# Altium PCB openmv-ae3.PcbDoc (part 5 of 7)
Units mil, origin at the board's own origin, x right, y up, seen from the top; angles counter-clockwise.
Board outline 1001 x 1001 mil, 8 copper layers (TOP, ART2, GND3, ART4, VCC5, GND6, ART7, BOTTOM), stack 65.6 mil thick; 246 components, 168 nets, 1013 pads, 1766 vias.
Unrouted connection lines stored in the file: 233.
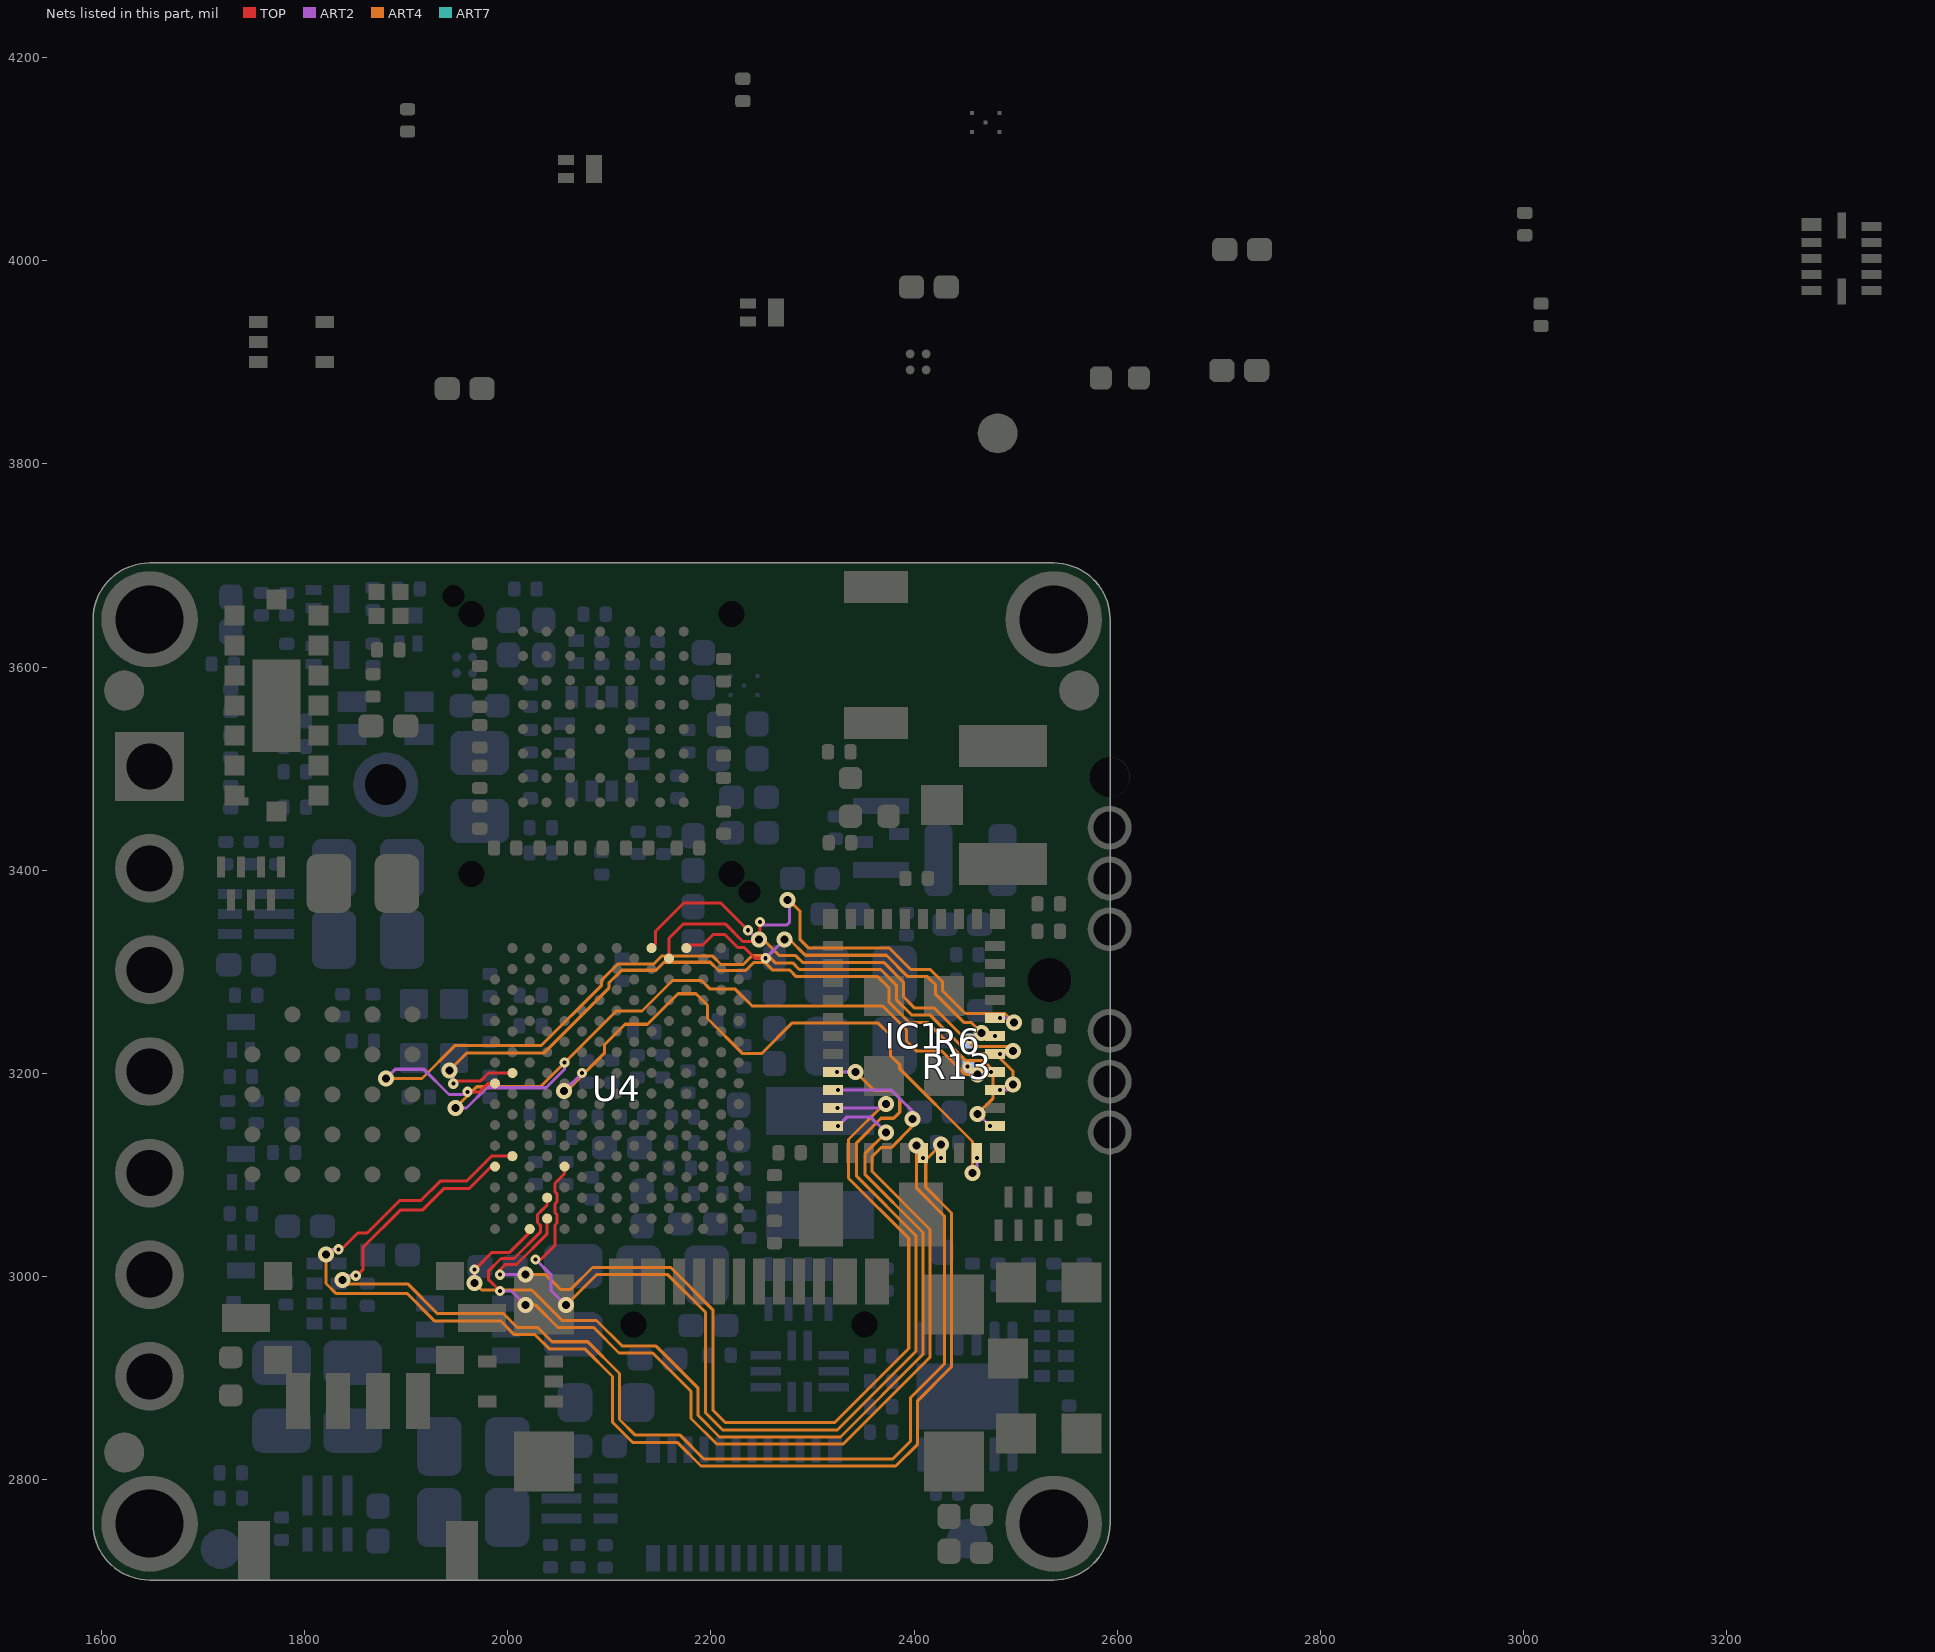
[diagram p11: the nets of this part, all layers, seen from the top]

## Via types
v1: diameter 10, hole 4, TOP to ART2, tented both sides, 779 vias
v2: diameter 10, hole 4, ART7 to BOTTOM, tented both sides, 590 vias
v3: diameter 15.75, hole 7.87, ART2 to ART7, 342 vias
v4: diameter 10, hole 4, ART7 to BOTTOM, tented bottom, 41 vias
v5: diameter 15.75, hole 7.87, TOP to BOTTOM, tented both sides, 13 vias
v6: diameter 10, hole 4, TOP to BOTTOM, tented both sides, 1 vias

## Nets (pads, with @x,y where several pads share a name; then routed paths per layer and width w, separated by ;. In a path a pad name is that pad's centre, name@x,y a point inside that pad or via, vN(x,y) a via of type N, cw(c..) or ccw(c..) an arc to the next point about the centre after c; other vN are vias at no path point) (continued)
WIFI_GPIO_1: IC1.18 U4.B8 | length 1282.8
  TOP w3: v1(1833.44,3026.91) 1836.44,3026.91 1852.44,3042.91 1861.69,3042.91 1893.69,3074.91 1914.44,3074.91 1933.44,3093.91 1959.44,3093.91 1984.09,3118.56 U4.B8@2004.57,3118.56
  ART2 w3: v3(1821.06,3021.91) 1826.06,3026.91 v1(1833.44,3026.91) ; v1(2426.51,3116.75) v3(2426.51,3129.91)
  ART4 w3: v3(1821.06,3021.91) 1821.06,2993.29 1830.82,2983.53 1900.82,2983.53 1927.81,2956.54 1992.91,2956.54 2006.54,2942.91 2026.74,2942.91 2040.74,2928.91 2075.84,2928.91 2103.06,2901.69 2103.06,2856.56 2122.71,2836.91 2166.76,2836.91 2190.14,2813.53 2381.8,2813.53 2403.42,2835.15 2403.42,2877.89 2436.69,2911.16 2436.69,3062.66 2411.44,3087.91 2411.44,3114.84 v3(2426.51,3129.91)
WIFI_GPIO_2: IC1.17 U4.A7 | length 1205.4
  TOP w3: v1(1850.44,3000.91) 1851.44,3001.91 1852.44,3001.91 1857.44,3006.91 1857.44,3028.76 1894.09,3065.41 1915.94,3065.41 1937.44,3086.91 1962.44,3086.91 1983.86,3108.33 U4.A7@1987.44,3108.33
  ART2 w3: v3(1837.44,2996.91) 1841.44,3000.91 v1(1850.44,3000.91) ; v3(2402.44,3128.91) 2402.44,3123.11 v1(2408.8,3116.75)
  ART4 w3: v3(1837.44,2996.91) 1841.44,2992.91 1901.44,2992.91 1930.81,2963.54 1995.81,2963.54 2009.44,2949.91 2029.64,2949.91 2043.64,2935.91 2078.74,2935.91 2110.06,2904.59 2110.06,2859.47 2125.62,2843.91 2169.66,2843.91 2193.04,2820.53 2378.9,2820.53 2396.42,2838.05 2396.42,2880.79 2429.69,2914.06 2429.69,3059.66 2402.44,3086.91 v3(2402.44,3128.91)
WIFI_I2S_SCLK: IC1.11 U4.C1 | length 946.9
  TOP w3: v1(1967.44,3006.91) 1984.44,3023.91 2001.94,3023.91 2021.69,3043.66 U4.C1@2021.69,3046.91
  ART2 w3: v3(1967.44,2993.91) v1(1967.44,3006.91) ; v1(2325.22,3148.33) 2333.8,3156.91 2357.44,3156.91 v3(2372.44,3141.91)
  ART4 w3: v3(1967.44,2993.91) 1974.44,2986.91 2023.52,2986.91 2053.52,2956.91 2087.44,2956.91 2112.44,2931.91 2145.54,2931.91 2187.44,2890.01 2187.44,2863.29 2208.5,2842.23 2327.46,2842.23 2408.69,2923.46 2408.69,3043.47 2351.44,3100.72 2351.44,3120.91 v3(2372.44,3141.91)
WIFI_I2S_SDI: IC1.10 U4.D2 | length 985
  TOP w3: v1(1992.44,3001.91) 1992.44,3006.91 1997.44,3011.91 2008.64,3011.91 2038.82,3042.09 U4.D2@2038.82,3057.15 ; IC1.10@2320.22,3166.04 v1(2324.57,3166.04)
  ART2 w3: v1(1992.44,3001.91) v3(2017.44,3001.91) ; v1(2324.57,3166.04) 2368.57,3166.04 v3(2372.44,3169.91)
  ART4 w3: v3(2017.44,3001.91) 2037.44,3001.91 2051.9,2987.45 2061.9,2987.45 2083.36,3008.91 2160.44,3008.91 2201.83,2967.52 2201.83,2868.7 2214.3,2856.23 2321.66,2856.23 2394.69,2929.26 2394.69,3037.66 2335.44,3096.91 2335.44,3134.91 2370.44,3169.91 v3(2372.44,3169.91)
WIFI_I2S_SDO: IC1.9 U4.D4 | length 1037.3
  TOP w3: v1(1992.44,2985.91) 1980.94,2997.41 1980.94,3005.41 1993.44,3017.91 2006.14,3017.91 2032.44,3044.21 2032.44,3050.09 2029.32,3053.21 2029.32,3061.08 2032.44,3064.2 2038.82,3070.59 U4.D4@2038.82,3077.62
  ART2 w3: v1(1992.44,2985.91) 2003.44,2985.91 v3(2017.44,2971.91) ; v1(2325.22,3183.76) 2377.51,3183.76 2398.23,3163.04 v3(2398.23,3154.91)
  ART4 w3: v3(2017.44,2971.91) 2027.44,2971.91 2049.44,2949.91 2084.54,2949.91 2109.54,2924.91 2142.64,2924.91 2180.44,2887.11 2180.44,2860.39 2205.6,2835.23 2330.36,2835.23 2415.69,2920.56 2415.69,3046.37 2358.44,3103.62 2358.44,3117.91 2367.44,3126.91 2377.44,3126.91 2398.23,3147.7 v3(2398.23,3154.91)
WIFI_I2S_WS: IC1.8 U4.E7 | length 1046.9
  TOP w3: v1(2027.44,3016.91) 2032.44,3016.91 2046.44,3030.91 2046.44,3050.85 2048.32,3052.73 2048.32,3061.09 2046.44,3062.97 2046.44,3071.8 2048.32,3073.68 2048.32,3081.56 2046.44,3083.44 2046.44,3091.79 2055.94,3101.29 U4.E7@2055.94,3108.33
  ART2 w3: v1(2027.44,3016.91) 2042.44,3001.91 2042.44,2986.91 v3(2057.44,2971.91) ; v1(2324.22,3201.48) v3(2342.44,3201.48)
  ART4 w3: v3(2057.44,2971.91) 2087.44,3001.91 2157.54,3001.91 2194.83,2964.62 2194.83,2865.8 2211.4,2849.23 2324.56,2849.23 2401.69,2926.36 2401.69,3040.56 2343.44,3098.81 2343.44,3131.91 2367.44,3155.91 2379.82,3155.91 2385.82,3161.91 2385.82,3175.45 2377.98,3183.29 2360.63,3183.29 v3(2342.44,3201.48)
WIFI_IRQ: IC1.26 U4.K28 | length 464.5
  TOP w3: U4.K28@2141.57,3323.32 2145.44,3327.19 2145.44,3339.91 2173.44,3367.91 2209.44,3367.91 v1(2236.44,3340.91)
  ART2 w3: v1(2236.44,3340.91) 2245.44,3331.91 v3(2247.44,3331.91) ; v1(2484.66,3219.19) 2494.72,3219.19 v3(2497.44,3221.91)
  ART4 w3: v3(2247.44,3331.91) 2251.44,3331.91 2267.44,3315.91 2283.43,3315.91 2290.04,3309.3 2369.95,3309.3 2389.44,3289.81 2389.44,3275.57 2400.71,3264.3 2420.05,3264.3 2457.82,3226.53 2492.82,3226.53 v3(2497.44,3221.91)
WIFI_MISO: IC1.24 U4.A15 | length 886.7
  TOP w3: v1(1960.44,3181.91) 1972.44,3181.91 1980.75,3190.22 U4.A15@1987.44,3190.22
  ART2 w3: v3(1880.15,3195.05) 1889.24,3204.14 1917.35,3204.14 1942.2,3179.29 1957.82,3179.29 v1(1960.44,3181.91) ; v1(2484.66,3183.76) 2492.29,3183.76 v3(2497.44,3188.91)
  ART4 w3: v3(1880.15,3195.05) 1915.58,3195.05 1947.83,3227.3 2032.83,3227.3 2092.44,3286.91 2092.44,3291.91 2108.07,3307.54 2143.4,3307.54 2151.27,3315.41 2201.81,3315.41 2209.93,3307.29 2231.81,3307.29 2240.81,3316.29 2255.88,3316.29 2263.26,3308.91 2280.44,3308.91 2287.05,3302.3 2367.05,3302.3 2382.44,3286.91 2382.44,3272.67 2397.81,3257.3 2415.89,3257.3 2453.66,3219.53 2479.82,3219.53 2497.44,3201.91 v3(2497.44,3188.91)
WIFI_MOSI: IC1.22 U4.B16 | length 784.4
  TOP w3: v1(1946.44,3189.91) 1948.94,3192.41 1972.94,3192.41 1980.98,3200.45 U4.B16@2004.57,3200.45
  ART2 w3: v3(1942.44,3202.91) 1946.44,3198.91 v1(1946.44,3189.91) ; v3(2462.44,3160.22) 2462.77,3160.22 v1(2474.66,3148.33)
  ART4 w3: v3(1942.44,3202.91) 1959.83,3220.3 2035.83,3220.3 2099.51,3283.98 2099.51,3288.98 2112.07,3301.54 2145.89,3301.54 2153.76,3309.41 2199.32,3309.41 2207.44,3301.29 2234.3,3301.29 2242.3,3309.29 2252.98,3309.29 2260.36,3301.91 2277.36,3301.91 2283.97,3295.3 2364.15,3295.3 2375.44,3284.01 2375.44,3269.77 2394.91,3250.3 2412.99,3250.3 2420.83,3242.46 2450.74,3212.53 2467.98,3212.53 2477.44,3203.07 2477.44,3175.22 v3(2462.44,3160.22)
WIFI_SCLK: IC1.20 U4.F16 | length 626
  ART2 w3: v3(2055.5,3182.84) 2055.59,3182.84 2073.07,3200.32 v1(2073.07,3200.45) ; v3(2457.44,3101.91) 2461.95,3106.42 v1(2461.95,3116.75)
  ART4 w3: v3(2055.5,3182.84) 2058.17,3182.84 2095.06,3219.73 2095.06,3228.04 2115.43,3248.41 2137.63,3248.41 2167.63,3278.41 2185.35,3278.41 2196.7,3267.06 2196.7,3254.06 2231.35,3219.41 2249.69,3219.41 2280.06,3249.78 2364.31,3249.78 2376.82,3237.27 2376.82,3217.53 2385.82,3208.53 2385.82,3204.63 2457.44,3133.01 v3(2457.44,3101.91)
WIFI_SSEL: IC1.25 R13.2 U4.E17 | length 767.9
  ART2 w3: v3(1948.44,3165.91) 1959.44,3165.91 1979.44,3185.91 2037.73,3185.91 2055.94,3204.12 v1(2055.94,3210.69) ; v3(2462.44,3199.15) 2464.77,3201.48 v1(2475.66,3201.48)
  ART4 w3: v3(1948.44,3165.91) 1969.44,3186.91 2032.16,3186.91 2106.66,3261.41 2132.23,3261.41 2162.23,3291.41 2190.75,3291.41 2198.87,3283.29 2223.56,3283.29 2240.57,3266.3 2369.01,3266.3 2392.44,3242.87 2392.44,3231.9 2402.43,3221.91 2427.44,3221.91 2450.2,3199.15 v3(2462.44,3199.15)
  ART7 w3: v2(2452.44,3206.91) 2454.68,3206.91 v3(2462.44,3199.15)
WL_H_WAKE: IC1.27 R6.1 U4.M28 | length 386
  TOP w3: U4.M28@2175.83,3323.32 2178.83,3326.32 2191.85,3326.32 2202.44,3336.91 2213.44,3336.91 2226.44,3323.91 2232.88,3323.91 2243.44,3313.35 v1(2253.88,3313.35)
  ART2 w3: v1(2253.88,3313.35) v3(2272.44,3331.91) ; v3(2466.44,3239.91) 2469.44,3236.91 v1(2479.66,3236.91)
  ART4 w3: v3(2272.44,3331.91) 2277.33,3331.91 2292.94,3316.3 2372.85,3316.3 2393.85,3295.3 2412.99,3295.3 2420.83,3287.46 2420.83,3278.52 2449.44,3249.91 2456.44,3249.91 v3(2466.44,3239.91)
  ART7 w3: v2(2454.44,3233.91) 2460.44,3233.91 v3(2466.44,3239.91)
WL_REG_ON: IC1.28 U4.L27 | length 501.6
  TOP w3: U4.L27@2158.7,3313.05 2158.7,3333.17 2172.44,3346.91 2214.44,3346.91 2231.44,3329.91 2240.44,3329.91 2248.44,3337.91 v1(2248.44,3348.91)
  ART2 w3: v1(2248.44,3348.91) 2251.44,3345.91 2274.44,3345.91 2277.44,3348.91 2277.44,3368.91 v3(2275.44,3370.91) ; v1(2484.66,3254.63) 2493.72,3254.63 v3(2498.44,3249.91)
  ART4 w3: v3(2275.44,3370.91) 2276.44,3370.91 2287.44,3359.91 2287.44,3332.01 2296.15,3323.3 2375.75,3323.3 2396.75,3302.3 2415.89,3302.3 2427.83,3290.36 2427.83,3281.52 2450.44,3258.91 2489.44,3258.91 v3(2498.44,3249.91)
pads on no net: ANT1.2 B1.2 B2.2 B3.2 D2.4 D2.5 FD1.1 FD2.1 FD3.1 FD4.1 FD5.1 FD6.1 FD7.1 FD8.1 FL1.4 IC1.6 IC1.7 IC1.13 IC1.15 IC1.16 IC2.C5 IC3.6 J2.A8 J2.B8 J2.MH1 J2.MH2 J5.MH M1.0 U1.A5 U1.A7 U1.B6 U1.C5 U1.C7 U1.D6 U1.E6 U2.A3 U2.B5 U4.A5 U4.A17 U4.A19 U4.B10 U4.B14 U4.B18 U4.B26 U4.B28 U4.C9 U4.C11 U4.C15 U4.C23 U4.C27 U4.D8 U4.D10 U4.D12 U4.D14 U4.D18 U4.D26 U4.D28 U4.E3 U4.E9 U4.E15 U4.E21 U4.E23 U4.F8 U4.F18 U4.F24 U4.F28 U4.G11 U4.G15 U4.G27 U4.H10 U4.H12 U4.H16 U4.H18 U4.J7 U4.J9 U4.J17 U4.J19 U4.J21 U4.L15 U4.L21 U4.L23 U4.L25 U4.M8 U4.M10 U4.M14 U4.M16 U4.M24 U4.M26 U4.N3 U4.N7 U4.N9 U4.N11 U4.N13 U4.N21 U4.P8 U4.P10 U4.P12 U4.P16 U4.P26 U4.R7 U4.R11 U4.R17 U4.R19 U6.6 U6.8 U7.10 U7.11 Y1.1
copper on no net: | length 1264
  TOP w3: v1(1912.44,3330.06) 1912.44,3324.91 1932.44,3304.91 1932.44,3243.13 1920.44,3231.13 1920.44,3158.91 1952.44,3126.91 1971.44,3126.91 1982.83,3138.3 1991.38,3138.3 2000.88,3128.8 2021.69,3128.8 ; v1(1935.44,3341.91) 1947.44,3329.91 1947.44,3236.91 1935.44,3224.91 1935.44,3163.91 1957.44,3141.91 1965.44,3141.91 1982.62,3159.09 1991.06,3159.09 2000.14,3150.01 2007.04,3150.01 2018.01,3139.04 2038.82,3139.04
  ART2 w3: v3(1855.44,3528.91) 1863.44,3536.91 1872.44,3536.91 1889.44,3553.91 1909.44,3553.91 1915.82,3560.29 1946.06,3560.29 1951.44,3554.91 1951.44,3510.91 1934.44,3493.91 1934.44,3380.91 1947.44,3367.91 1947.44,3353.91 v1(1935.44,3341.91) ; v1(1912.44,3330.06) 1912.44,3333.77 1938.68,3360.01 1938.68,3366.67 1926.44,3378.91 1926.44,3495.91 1937.44,3506.91 v3(1937.44,3536.91)
  ART7 w3: v2(1846.01,3538.91) 1846.01,3538.34 v3(1855.44,3528.91) ; v2(1875.44,3572.91) 1875.54,3572.67 1887.44,3567.91 ; v2(1925.44,3562.91) 1925.44,3558.91 1937.44,3546.91 v3(1937.44,3536.91)
  BOTTOM w3: v2(1846.01,3538.91) 1847.01,3537.91 v2@1847.01,3536.2 ; 1917.87,3568.56 1920.79,3568.56 1925.44,3563.91 v2(1925.44,3562.91)
  other v2: 1919.44,3531.91 1919.44,3541.91

## Polygon pours and split planes (outlines as drawn)
no net on DIMENSION (solid): 2325.76,3335.99 2325.76,3554.6 2351.9,3554.6 2351.9,3335.99 2325.76,3335.99
no net on DIMENSION (solid): 2446.86,3479.39 2446.86,3432.87 2340.42,3432.87 2340.42,3479.39 2446.86,3479.39
VCC_3.3V on BOTTOM "VCC_3.3V_L08_P280" (solid, remove dead copper, pour order 280): 21 vertices, not listed, extent 1747.12,2726.9 2140.11,3317.23
VCC_1.8V on BOTTOM "VCC_1.8V_L08_P279" (solid, remove dead copper, pour order 279): 1782.44,3151.91 1782.44,3115.34 1754.58,3087.48 1754.58,2893.72 1876.82,2893.72 1876.82,3019.89 1800.82,3095.89 1800.82,3152.19
GND on BOTTOM "BOTTOM-GND 11" (solid, pour order 146): 1160 vertices, not listed, extent 1791.45,3406.91 2112.42,3601.91
GND on BOTTOM "BOTTOM-GND 6" (solid, pour order 136): 360 vertices, not listed, extent 1880.96,3161.91 2135.8,3318.72
GND on BOTTOM "BOTTOM-GND 23" (solid, pour order 170): 218 vertices, not listed, extent 1721.46,2766.91 1812.44,2872.3
GND on BOTTOM "BOTTOM-GND 22" (solid, pour order 168): 359 vertices, not listed, extent 2395.24,2807.43 2535.36,2971.91
GND on BOTTOM "BOTTOM-GND 20" (solid, pour order 164): 727 vertices, not listed, extent 2013.45,3091.91 2186.43,3245.89
GND on BOTTOM "BOTTOM-GND 19" (solid, pour order 162): 145 vertices, not listed, extent 2218.46,3216.93 2282.44,3256.91
GND on BOTTOM "BOTTOM-GND 18" (solid, pour order 160): 168 vertices, not listed, extent 1747.44,3371.91 1866.43,3434.56
GND on BOTTOM "BOTTOM-GND 17" (solid, pour order 158): 155 vertices, not listed, extent 2080.95,3614.92 2155.03,3661.4
GND on BOTTOM "BOTTOM-GND 15" (solid, pour order 154): 161 vertices, not listed, extent 2213.45,3053.11 2247.44,3150.89
GND on BOTTOM "BOTTOM-GND 14" (solid, pour order 152): 88 vertices, not listed, extent 2148.46,3096.91 2167.44,3144.39
GND on BOTTOM "BOTTOM-GND 13" (solid, pour order 150): 364 vertices, not listed, extent 2179.08,3286.91 2402.44,3411.91
GND on BOTTOM "BOTTOM-GND 12" (solid, pour order 148): 685 vertices, not listed, extent 2082.44,3351.91 2271.42,3556.91
GND on BOTTOM "BOTTOM-GND 10" (solid, pour order 144): 122 vertices, not listed, extent 2337.44,3414.3 2402.44,3449.52
GND on BOTTOM "BOTTOM-GND 9" (solid, pour order 142): 87 vertices, not listed, extent 2147.96,3449.93 2201.91,3476.91
GND on BOTTOM "BOTTOM-GND 8" (solid, pour order 140): 147 vertices, not listed, extent 2053.45,3587.43 2082.44,3613.9
GND on BOTTOM "BOTTOM-GND 5" (solid, pour order 126): 110 vertices, not listed, extent 1752.44,2766.91 1807.44,2871.91
GND on BOTTOM "BOTTOM-GND 4" (solid, pour order 122): 2562.91,3175.18 2562.91,3174.39 2563.51,3172.95 2564.62,3171.84 2566.07,3171.24 2566.85,3171.24 2592.44,3171.24 2592.44,3212.58 2566.85,3212.58 2566.07,3212.58 2564.62,3211.98 2563.51,3210.87 2562.91,3209.43 2562.91,3208.64 2562.91,3175.18
GND on BOTTOM "BOTTOM-GND 3" (solid, pour order 118): 2239.4,3581.91 2232.44,3588.87 2225.48,3581.91 2232.44,3574.95 2239.4,3581.91
GND on BOTTOM "BOTTOM-GND 2" (solid, pour order 116): 2227.72,3595.69 2212.76,3595.69 2212.76,3587.03 2219.05,3587.03 2227.72,3595.69
GND on BOTTOM "BOTTOM-GND 1" (solid, pour order 114): 2260.69,2979.72 2260.69,2971.84 2244.94,2971.84 2244.94,2979.72 2260.69,2979.72
GND on BOTTOM "BOTTOM-GND" (solid, pour order 112): 2311.87,2979.72 2311.87,2971.84 2327.62,2971.84 2327.62,2979.72 2311.87,2979.72
VCC_1.2V_CAM on BOTTOM "BOTTOM-VCC_1.2V_CAM" (solid, pour order 108): 328 vertices, not listed, extent 1872.44,3301.91 2099.92,3451.91
VCC_1.8V on BOTTOM "BOTTOM-VCC_1.8V 1" (solid, pour order 96): 182 vertices, not listed, extent 1959.56,3576.91 2047.44,3626.91
VCC_1.8V on BOTTOM "BOTTOM-VCC_1.8V" (solid, pour order 88): 2562.91,3425.18 2562.91,3424.39 2563.51,3422.95 2564.62,3421.84 2566.07,3421.24 2566.85,3421.24 2592.44,3421.24 2592.44,3462.58 2566.85,3462.58 2566.07,3462.58 2564.62,3461.98 2563.51,3460.87 2562.91,3459.43 2562.91,3458.64 2562.91,3425.18
VCC_2.8V_CAM on BOTTOM "BOTTOM-VCC_2.8V_CAM 1" (solid, pour order 84): 130 vertices, not listed, extent 1723.06,3606.91 1757.44,3651.91
VCC_2.8V_CAM on BOTTOM "BOTTOM-VCC_2.8V_CAM" (solid, pour order 80): 2225.35,3570.49 2219.05,3576.79 2212.76,3576.79 2212.76,3568.13 2225.35,3568.13 2225.35,3570.49
JTAG_TCK on BOTTOM "BOTTOM-JTAG_TCK" (solid, pour order 78): 2562.91,3225.18 2562.91,3224.39 2563.51,3222.95 2564.62,3221.84 2566.07,3221.24 2566.85,3221.24 2592.44,3221.24 2592.44,3262.58 2566.85,3262.58 2566.07,3262.58 2564.62,3261.98 2563.51,3260.87 2562.91,3259.43 2562.91,3258.64 2562.91,3225.18
JTAG_TDO on BOTTOM "BOTTOM-JTAG_TDO" (solid, pour order 74): 2562.91,3125.18 2562.91,3124.39 2563.51,3122.95 2564.62,3121.84 2566.07,3121.24 2566.85,3121.24 2592.44,3121.24 2592.44,3162.58 2566.85,3162.58 2566.07,3162.58 2564.62,3161.98 2563.51,3160.87 2562.91,3159.43 2562.91,3158.64 2562.91,3125.18
JTAG_TMS on BOTTOM "BOTTOM-JTAG_TMS" (solid, pour order 68): 2562.91,3375.18 2562.91,3374.39 2563.51,3372.95 2564.62,3371.84 2566.07,3371.24 2566.85,3371.24 2592.44,3371.24 2592.44,3412.58 2566.85,3412.58 2566.07,3412.58 2564.62,3411.98 2563.51,3410.87 2562.91,3409.43 2562.91,3408.64 2562.91,3375.18
USB_VBUS on BOTTOM "BOTTOM-USB_VBUS 1" (solid, pour order 64): 112 vertices, not listed, extent 2102.44,2856.91 2157.44,2931.91
USB_VBUS on BOTTOM "BOTTOM-USB_VBUS" (solid, pour order 56): 2260.69,2995.48 2260.69,3003.36 2244.94,3003.36 2244.94,2995.48 2260.69,2995.48
VCC_3.3V on BOTTOM "BOTTOM-VCC_3.3V 2" (solid, pour order 48): 268 vertices, not listed, extent 2172.44,2931.91 2242.44,3063.44
VCC_3.3V on BOTTOM "BOTTOM-VCC_3.3V 1" (solid, pour order 46): 404 vertices, not listed, extent 2052.44,3311.91 2307.44,3461.91
VCC_3.3V on BOTTOM "BOTTOM-VCC_3.3V" (solid, pour order 34): 2252.12,3576.79 2245.83,3576.79 2237.16,3568.13 2252.12,3568.13 2252.12,3576.79
VCC_3.3V_INT on BOTTOM "BOTTOM-VCC_3.3V_INT 1" (solid, pour order 32): 112 vertices, not listed, extent 2412.44,2971.91 2492.44,3001.91
SW_1V8 on BOTTOM "BOTTOM-SW_1V8" (solid, pour order 22): 134 vertices, not listed, extent 1817.44,2806.91 1872.44,2866.91
SW_1V2 on BOTTOM "BOTTOM-SW_1V2" (solid, pour order 18): 172 vertices, not listed, extent 1757.44,3306.91 1847.44,3361.91
DCMI_PWDN_N on BOTTOM "BOTTOM-DCMI_PWDN_N" (solid, pour order 16): 2252.12,3595.69 2237.16,3595.69 2245.83,3587.03 2252.12,3587.03 2252.12,3595.69
DEBUG_RST_N on BOTTOM "BOTTOM-DEBUG_RST_N" (solid, pour order 12): 2562.91,3325.18 2562.91,3324.39 2563.51,3322.95 2564.62,3321.84 2566.07,3321.24 2566.85,3321.24 2592.44,3321.24 2592.44,3362.58 2566.85,3362.58 2566.07,3362.58 2564.62,3361.98 2563.51,3360.87 2562.91,3359.43 2562.91,3358.64 2562.91,3325.18
VDD_CORE on BOTTOM "BOTTOM-VDD_CORE" (solid, pour order 10): 778 vertices, not listed, extent 1972.44,3061.91 2362.44,3296.91
no net on BOTTOM "BOTTOM-No Net" (solid, pour order 0): 2552.44,3111.91 2552.44,3086.91 2572.44,3086.91 2572.44,3111.91 2552.44,3111.91
no net on Bottom Solder (solid): 2242.18,3581.91 2232.44,3591.65 2222.7,3581.91 2232.44,3572.17 2242.18,3581.91
no net on Bottom Solder (solid): 2229.67,3597.66 2210.79,3597.66 2210.79,3585.06 2219.05,3585.06 2229.67,3595.68 2229.67,3597.66
no net on Bottom Solder (solid): 2254.09,3578.76 2245.83,3578.76 2235.74,3568.67 2235.74,3566.16 2254.09,3566.16 2254.09,3578.76
no net on Bottom Solder (solid): 2254.09,3597.66 2236.52,3597.66 2236.52,3594.37 2245.83,3585.06 2254.09,3585.06 2254.09,3597.66
no net on Bottom Solder (solid): 2227.32,3570.49 2219.05,3578.76 2210.79,3578.76 2210.79,3566.16 2227.32,3566.16 2227.32,3570.49
no net on Bottom Overlay (solid): 1941.44,3082.91 1941.44,3083.91 1920.44,3083.91 1920.44,3082.91 1941.44,3082.91
no net on Bottom Overlay (solid): 1941.44,3081.91 1941.44,3082.91 1921.44,3082.91 1921.44,3081.91 1941.44,3081.91
no net on Bottom Overlay (solid): 1941.44,3080.91 1941.44,3081.91 1923.44,3081.91 1923.44,3080.91 1941.44,3080.91
no net on Bottom Overlay (solid): 1941.44,3079.91 1941.44,3080.91 1925.44,3080.91 1925.44,3079.91 1941.44,3079.91
no net on Bottom Overlay (solid): 1941.44,3093.91 1941.44,3094.91 1912.44,3094.91 1912.44,3093.91 1941.44,3093.91
no net on Bottom Overlay (solid): 1941.44,3092.91 1941.44,3093.91 1912.44,3093.91 1912.44,3092.91 1941.44,3092.91
no net on Bottom Overlay (solid): 1941.44,3091.91 1941.44,3092.91 1912.44,3092.91 1912.44,3091.91 1941.44,3091.91
no net on Bottom Overlay (solid): 1941.44,3089.91 1941.44,3090.91 1911.44,3090.91 1911.44,3089.91 1941.44,3089.91
no net on Bottom Overlay (solid): 1941.44,3088.91 1941.44,3089.91 1911.44,3089.91 1911.44,3088.91 1941.44,3088.91
no net on Bottom Overlay (solid): 1941.44,3087.91 1941.44,3088.91 1911.44,3088.91 1911.44,3087.91 1941.44,3087.91
no net on Bottom Overlay (solid): 1941.44,3085.91 1941.44,3086.91 1915.44,3086.91 1915.44,3085.91 1941.44,3085.91
no net on Bottom Overlay (solid): 1941.44,3084.91 1941.44,3085.91 1916.44,3085.91 1916.44,3084.91 1941.44,3084.91
no net on Bottom Overlay (solid): 1941.44,3086.91 1941.44,3087.91 1913.44,3087.91 1913.44,3086.91 1941.44,3086.91
no net on Bottom Overlay (solid): 1941.44,3090.91 1941.44,3091.91 1911.44,3091.91 1911.44,3090.91 1941.44,3090.91
no net on Bottom Overlay (solid): 1941.44,3083.91 1941.44,3084.91 1918.44,3084.91 1918.44,3083.91 1941.44,3083.91
no net on Bottom Overlay (solid): 1982.44,3075.91 1982.44,3076.91 1980.44,3076.91 1980.44,3075.91 1982.44,3075.91
no net on Bottom Overlay (solid): 1941.44,3078.91 1941.44,3079.91 1927.44,3079.91 1927.44,3078.91 1941.44,3078.91
no net on Bottom Overlay (solid): 1941.44,3077.91 1941.44,3078.91 1928.44,3078.91 1928.44,3077.91 1941.44,3077.91
no net on Bottom Overlay (solid): 1941.44,3076.91 1941.44,3077.91 1930.44,3077.91 1930.44,3076.91 1941.44,3076.91
no net on Bottom Overlay (solid): 1941.44,3075.91 1941.44,3076.91 1932.44,3076.91 1932.44,3075.91 1941.44,3075.91
no net on Bottom Overlay (solid): 1941.44,3072.91 1941.44,3073.91 1937.44,3073.91 1937.44,3072.91 1941.44,3072.91
no net on Bottom Overlay (solid): 1941.44,3071.91 1941.44,3072.91 1939.44,3072.91 1939.44,3071.91 1941.44,3071.91
no net on Bottom Overlay (solid): 1941.44,3073.91 1941.44,3074.91 1935.44,3074.91 1935.44,3073.91 1941.44,3073.91
no net on Bottom Overlay (solid): 1941.44,3074.91 1941.44,3075.91 1934.44,3075.91 1934.44,3074.91 1941.44,3074.91
no net on Bottom Overlay (solid): 1968.44,3100.91 1968.44,3101.91 1948.44,3101.91 1948.44,3100.91 1968.44,3100.91
no net on Bottom Overlay (solid): 1969.44,3101.91 1969.44,3102.91 1948.44,3102.91 1948.44,3101.91 1969.44,3101.91
no net on Bottom Overlay (solid): 1961.44,3096.91 1961.44,3097.91 1948.44,3097.91 1948.44,3096.91 1961.44,3096.91
no net on Bottom Overlay (solid): 1962.44,3097.91 1962.44,3098.91 1948.44,3098.91 1948.44,3097.91 1962.44,3097.91
no net on Bottom Overlay (solid): 1964.44,3098.91 1964.44,3099.91 1948.44,3099.91 1948.44,3098.91 1964.44,3098.91
no net on Bottom Overlay (solid): 1966.44,3099.91 1966.44,3100.91 1948.44,3100.91 1948.44,3099.91 1966.44,3099.91
no net on Bottom Overlay (solid): 1959.44,3095.91 1959.44,3096.91 1948.44,3096.91 1948.44,3095.91 1959.44,3095.91
no net on Bottom Overlay (solid): 1957.44,3094.91 1957.44,3095.91 1948.44,3095.91 1948.44,3094.91 1957.44,3094.91
no net on Bottom Overlay (solid): 1956.44,3093.91 1956.44,3094.91 1948.44,3094.91 1948.44,3093.91 1956.44,3093.91
no net on Bottom Overlay (solid): 1954.44,3092.91 1954.44,3093.91 1948.44,3093.91 1948.44,3092.91 1954.44,3092.91
no net on Bottom Overlay (solid): 1952.44,3091.91 1952.44,3092.91 1948.44,3092.91 1948.44,3091.91 1952.44,3091.91
no net on Bottom Overlay (solid): 1950.44,3090.91 1950.44,3091.91 1948.44,3091.91 1948.44,3090.91 1950.44,3090.91
no net on Bottom Overlay (solid): 1949.44,3089.91 1949.44,3090.91 1948.44,3090.91 1948.44,3089.91 1949.44,3089.91
no net on Bottom Overlay (solid): 1973.44,3103.91 1973.44,3104.91 1948.44,3104.91 1948.44,3103.91 1973.44,3103.91
no net on Bottom Overlay (solid): 1975.44,3104.91 1975.44,3105.91 1948.44,3105.91 1948.44,3104.91 1975.44,3104.91
no net on Bottom Overlay (solid): 1976.44,3105.91 1976.44,3106.91 1948.44,3106.91 1948.44,3105.91 1976.44,3105.91
no net on Bottom Overlay (solid): 1923.44,3072.91 1923.44,3073.91 1908.44,3073.91 1908.44,3072.91 1923.44,3072.91
no net on Bottom Overlay (solid): 1913.44,3078.91 1913.44,3079.91 1909.44,3079.91 1909.44,3078.91 1913.44,3078.91
no net on Bottom Overlay (solid): 1915.44,3077.91 1915.44,3078.91 1909.44,3078.91 1909.44,3077.91 1915.44,3077.91
no net on Bottom Overlay (solid): 1918.44,3075.91 1918.44,3076.91 1908.44,3076.91 1908.44,3075.91 1918.44,3075.91
no net on Bottom Overlay (solid): 1920.44,3074.91 1920.44,3075.91 1908.44,3075.91 1908.44,3074.91 1920.44,3074.91
no net on Bottom Overlay (solid): 1916.44,3076.91 1916.44,3077.91 1908.44,3077.91 1908.44,3076.91 1916.44,3076.91
no net on Bottom Overlay (solid): 1921.44,3073.91 1921.44,3074.91 1908.44,3074.91 1908.44,3073.91 1921.44,3073.91
no net on Bottom Overlay (solid): 1911.44,3079.91 1911.44,3080.91 1909.44,3080.91 1909.44,3079.91 1911.44,3079.91
no net on Bottom Overlay (solid): 1973.44,3038.91 1973.44,3039.91 1939.44,3039.91 1939.44,3038.91 1973.44,3038.91
no net on Bottom Overlay (solid): 1973.44,3039.91 1973.44,3040.91 1941.44,3040.91 1941.44,3039.91 1973.44,3039.91
no net on Bottom Overlay (solid): 1973.44,3040.91 1973.44,3041.91 1942.44,3041.91 1942.44,3040.91 1973.44,3040.91
no net on Bottom Overlay (solid): 1925.44,3038.91 1925.44,3039.91 1922.44,3039.91 1922.44,3038.91 1925.44,3038.91
no net on Bottom Overlay (solid): 1928.44,3040.91 1928.44,3041.91 1920.44,3041.91 1920.44,3040.91 1928.44,3040.91
no net on Bottom Overlay (solid): 1927.44,3039.91 1927.44,3040.91 1921.44,3040.91 1921.44,3039.91 1927.44,3039.91
no net on Bottom Overlay (solid): 1973.44,3037.91 1973.44,3038.91 1937.44,3038.91 1937.44,3037.91 1973.44,3037.91
no net on Bottom Overlay (solid): 1984.44,3074.91 1984.44,3075.91 1980.44,3075.91 1980.44,3074.91 1984.44,3074.91
no net on Bottom Overlay (solid): 1986.44,3073.91 1986.44,3074.91 1980.44,3074.91 1980.44,3073.91 1986.44,3073.91
no net on Bottom Overlay (solid): 2012.44,3080.91 2012.44,3081.91 1987.44,3081.91 1987.44,3080.91 2012.44,3080.91
no net on Bottom Overlay (solid): 2012.44,3079.91 2012.44,3080.91 1989.44,3080.91 1989.44,3079.91 2012.44,3079.91
no net on Bottom Overlay (solid): 2012.44,3078.91 2012.44,3079.91 1991.44,3079.91 1991.44,3078.91 2012.44,3078.91
no net on Bottom Overlay (solid): 2012.44,3077.91 2012.44,3078.91 1993.44,3078.91 1993.44,3077.91 2012.44,3077.91
no net on Bottom Overlay (solid): 2012.44,3076.91 2012.44,3077.91 1994.44,3077.91 1994.44,3076.91 2012.44,3076.91
no net on Bottom Overlay (solid): 2012.44,3075.91 2012.44,3076.91 1996.44,3076.91 1996.44,3075.91 2012.44,3075.91
no net on Bottom Overlay (solid): 2012.44,3074.91 2012.44,3075.91 1998.44,3075.91 1998.44,3074.91 2012.44,3074.91
no net on Bottom Overlay (solid): 2012.44,3072.91 2012.44,3073.91 2001.44,3073.91 2001.44,3072.91 2012.44,3072.91
no net on Bottom Overlay (solid): 2012.44,3071.91 2012.44,3072.91 2003.44,3072.91 2003.44,3071.91 2012.44,3071.91
no net on Bottom Overlay (solid): 2012.44,3069.91 2012.44,3070.91 2006.44,3070.91 2006.44,3069.91 2012.44,3069.91
no net on Bottom Overlay (solid): 1987.44,3072.91 1987.44,3073.91 1980.44,3073.91 1980.44,3072.91 1987.44,3072.91
no net on Bottom Overlay (solid): 2012.44,3073.91 2012.44,3074.91 2000.44,3074.91 2000.44,3073.91 2012.44,3073.91
no net on Bottom Overlay (solid): 2012.44,3068.91 2012.44,3069.91 2008.44,3069.91 2008.44,3068.91 2012.44,3068.91
no net on Bottom Overlay (solid): 2012.44,3070.91 2012.44,3071.91 2005.44,3071.91 2005.44,3070.91 2012.44,3070.91
no net on Bottom Overlay (solid): 1989.44,3071.91 1989.44,3072.91 1980.44,3072.91 1980.44,3071.91 1989.44,3071.91
no net on Bottom Overlay (solid): 1991.44,3070.91 1991.44,3071.91 1980.44,3071.91 1980.44,3070.91 1991.44,3070.91
no net on Bottom Overlay (solid): 1992.44,3069.91 1992.44,3070.91 1980.44,3070.91 1980.44,3069.91 1992.44,3069.91
no net on Bottom Overlay (solid): 1994.44,3068.91 1994.44,3069.91 1980.44,3069.91 1980.44,3068.91 1994.44,3068.91
no net on Bottom Overlay (solid): 1996.44,3067.91 1996.44,3068.91 1980.44,3068.91 1980.44,3067.91 1996.44,3067.91
no net on Bottom Overlay (solid): 1998.44,3066.91 1998.44,3067.91 1980.44,3067.91 1980.44,3066.91 1998.44,3066.91
no net on Bottom Overlay (solid): 1999.44,3065.91 1999.44,3066.91 1980.44,3066.91 1980.44,3065.91 1999.44,3065.91
no net on Bottom Overlay (solid): 2001.44,3064.91 2001.44,3065.91 1980.44,3065.91 1980.44,3064.91 2001.44,3064.91
no net on Bottom Overlay (solid): 2006.44,3061.91 2006.44,3062.91 1980.44,3062.91 1980.44,3061.91 2006.44,3061.91
no net on Bottom Overlay (solid): 2005.44,3062.91 2005.44,3063.91 1980.44,3063.91 1980.44,3062.91 2005.44,3062.91
no net on Bottom Overlay (solid): 2003.44,3063.91 2003.44,3064.91 1980.44,3064.91 1980.44,3063.91 2003.44,3063.91
no net on Bottom Overlay (solid): 2008.44,3060.91 2008.44,3061.91 1980.44,3061.91 1980.44,3060.91 2008.44,3060.91
no net on Bottom Overlay (solid): 2012.44,3067.91 2012.44,3068.91 2010.44,3068.91 2010.44,3067.91 2012.44,3067.91
no net on Bottom Overlay (solid): 2009.44,3055.91 2009.44,3056.91 1980.44,3056.91 1980.44,3055.91 2009.44,3055.91
no net on Bottom Overlay (solid): 2010.44,3056.91 2010.44,3057.91 1980.44,3057.91 1980.44,3056.91 2010.44,3056.91
no net on Bottom Overlay (solid): 2009.44,3054.91 2009.44,3055.91 1980.44,3055.91 1980.44,3054.91 2009.44,3054.91
no net on Bottom Overlay (solid): 2003.44,3043.91 2003.44,3044.91 1980.44,3044.91 1980.44,3043.91 2003.44,3043.91
no net on Bottom Overlay (solid): 2004.44,3044.91 2004.44,3045.91 1980.44,3045.91 1980.44,3044.91 2004.44,3044.91
no net on Bottom Overlay (solid): 2004.44,3045.91 2004.44,3046.91 1980.44,3046.91 1980.44,3045.91 2004.44,3045.91
no net on Bottom Overlay (solid): 2002.44,3042.91 2002.44,3043.91 1980.44,3043.91 1980.44,3042.91 2002.44,3042.91
no net on Bottom Overlay (solid): 2001.44,3041.91 2001.44,3042.91 1980.44,3042.91 1980.44,3041.91 2001.44,3041.91
no net on Bottom Overlay (solid): 2001.44,3040.91 2001.44,3041.91 1980.44,3041.91 1980.44,3040.91 2001.44,3040.91
no net on Bottom Overlay (solid): 1996.44,3035.91 1996.44,3036.91 1980.44,3036.91 1980.44,3035.91 1996.44,3035.91
no net on Bottom Overlay (solid): 1997.44,3036.91 1997.44,3037.91 1980.44,3037.91 1980.44,3036.91 1997.44,3036.91
no net on Bottom Overlay (solid): 1998.44,3037.91 1998.44,3038.91 1980.44,3038.91 1980.44,3037.91 1998.44,3037.91
no net on Bottom Overlay (solid): 1999.44,3038.91 1999.44,3039.91 1980.44,3039.91 1980.44,3038.91 1999.44,3038.91
no net on Bottom Overlay (solid): 2000.44,3039.91 2000.44,3040.91 1980.44,3040.91 1980.44,3039.91 2000.44,3039.91
no net on Bottom Overlay (solid): 1983.44,3026.91 1983.44,3027.91 1980.44,3027.91 1980.44,3026.91 1983.44,3026.91
no net on Bottom Overlay (solid): 1981.44,3025.91 1981.44,3026.91 1980.44,3026.91 1980.44,3025.91 1981.44,3025.91
no net on Bottom Overlay (solid): 2006.44,3048.91 2006.44,3049.91 1980.44,3049.91 1980.44,3048.91 2006.44,3048.91
no net on Bottom Overlay (solid): 2005.44,3047.91 2005.44,3048.91 1980.44,3048.91 1980.44,3047.91 2005.44,3047.91
no net on Bottom Overlay (solid): 2008.44,3052.91 2008.44,3053.91 1980.44,3053.91 1980.44,3052.91 2008.44,3052.91
no net on Bottom Overlay (solid): 2007.44,3051.91 2007.44,3052.91 1980.44,3052.91 1980.44,3051.91 2007.44,3051.91
no net on Bottom Overlay (solid): 2005.44,3046.91 2005.44,3047.91 1980.44,3047.91 1980.44,3046.91 2005.44,3046.91
no net on Bottom Overlay (solid): 1973.44,3056.91 1973.44,3057.91 1970.44,3057.91 1970.44,3056.91 1973.44,3056.91
no net on Bottom Overlay (solid): 1973.44,3057.91 1973.44,3058.91 1972.44,3058.91 1972.44,3057.91 1973.44,3057.91
no net on Bottom Overlay (solid): 1973.44,3049.91 1973.44,3050.91 1958.44,3050.91 1958.44,3049.91 1973.44,3049.91
no net on Bottom Overlay (solid): 1973.44,3050.91 1973.44,3051.91 1960.44,3051.91 1960.44,3050.91 1973.44,3050.91
no net on Bottom Overlay (solid): 1973.44,3051.91 1973.44,3052.91 1961.44,3052.91 1961.44,3051.91 1973.44,3051.91
no net on Bottom Overlay (solid): 1973.44,3052.91 1973.44,3053.91 1963.44,3053.91 1963.44,3052.91 1973.44,3052.91
no net on Bottom Overlay (solid): 1973.44,3053.91 1973.44,3054.91 1965.44,3054.91 1965.44,3053.91 1973.44,3053.91
no net on Bottom Overlay (solid): 1973.44,3054.91 1973.44,3055.91 1966.44,3055.91 1966.44,3054.91 1973.44,3054.91
no net on Bottom Overlay (solid): 1973.44,3055.91 1973.44,3056.91 1968.44,3056.91 1968.44,3055.91 1973.44,3055.91
no net on Bottom Overlay (solid): 1973.44,3048.91 1973.44,3049.91 1956.44,3049.91 1956.44,3048.91 1973.44,3048.91
no net on Bottom Overlay (solid): 1987.44,3028.91 1987.44,3029.91 1980.44,3029.91 1980.44,3028.91 1987.44,3028.91
no net on Bottom Overlay (solid): 1988.44,3029.91 1988.44,3030.91 1980.44,3030.91 1980.44,3029.91 1988.44,3029.91
no net on Bottom Overlay (solid): 1990.44,3030.91 1990.44,3031.91 1980.44,3031.91 1980.44,3030.91 1990.44,3030.91
no net on Bottom Overlay (solid): 1991.44,3031.91 1991.44,3032.91 1980.44,3032.91 1980.44,3031.91 1991.44,3031.91
no net on Bottom Overlay (solid): 1992.44,3032.91 1992.44,3033.91 1980.44,3033.91 1980.44,3032.91 1992.44,3032.91
no net on Bottom Overlay (solid): 1994.44,3033.91 1994.44,3034.91 1980.44,3034.91 1980.44,3033.91 1994.44,3033.91
no net on Bottom Overlay (solid): 1995.44,3034.91 1995.44,3035.91 1980.44,3035.91 1980.44,3034.91 1995.44,3034.91
no net on Bottom Overlay (solid): 1985.44,3027.91 1985.44,3028.91 1980.44,3028.91 1980.44,3027.91 1985.44,3027.91
no net on Bottom Overlay (solid): 1973.44,3033.91 1973.44,3034.91 1930.44,3034.91 1930.44,3033.91 1973.44,3033.91
no net on Bottom Overlay (solid): 1973.44,3041.91 1973.44,3042.91 1944.44,3042.91 1944.44,3041.91 1973.44,3041.91
no net on Bottom Overlay (solid): 1930.44,3041.91 1930.44,3042.91 1919.44,3042.91 1919.44,3041.91 1930.44,3041.91
no net on Bottom Overlay (solid): 1934.44,3043.91 1934.44,3044.91 1918.44,3044.91 1918.44,3043.91 1934.44,3043.91
no net on Bottom Overlay (solid): 1932.44,3042.91 1932.44,3043.91 1919.44,3043.91 1919.44,3042.91 1932.44,3042.91
no net on Bottom Overlay (solid): 1937.44,3045.91 1937.44,3046.91 1917.44,3046.91 1917.44,3045.91 1937.44,3045.91
no net on Bottom Overlay (solid): 1935.44,3044.91 1935.44,3045.91 1917.44,3045.91 1917.44,3044.91 1935.44,3044.91
no net on Bottom Overlay (solid): 1973.44,3042.91 1973.44,3043.91 1946.44,3043.91 1946.44,3042.91 1973.44,3042.91
no net on Bottom Overlay (solid): 1973.44,3043.91 1973.44,3044.91 1948.44,3044.91 1948.44,3043.91 1973.44,3043.91
no net on Bottom Overlay (solid): 1973.44,3044.91 1973.44,3045.91 1949.44,3045.91 1949.44,3044.91 1973.44,3044.91
no net on Bottom Overlay (solid): 1973.44,3045.91 1973.44,3046.91 1951.44,3046.91 1951.44,3045.91 1973.44,3045.91
no net on Bottom Overlay (solid): 1946.44,3059.91 1946.44,3060.91 1910.44,3060.91 1910.44,3059.91 1946.44,3059.91
no net on Bottom Overlay (solid): 1947.44,3058.91 1947.44,3059.91 1911.44,3059.91 1911.44,3058.91 1947.44,3058.91
no net on Bottom Overlay (solid): 1949.44,3057.91 1949.44,3058.91 1911.44,3058.91 1911.44,3057.91 1949.44,3057.91
no net on Bottom Overlay (solid): 1949.44,3052.91 1949.44,3053.91 1913.44,3053.91 1913.44,3052.91 1949.44,3052.91
no net on Bottom Overlay (solid): 1947.44,3051.91 1947.44,3052.91 1913.44,3052.91 1913.44,3051.91 1947.44,3051.91
no net on Bottom Overlay (solid): 1928.44,3069.91 1928.44,3070.91 1909.44,3070.91 1909.44,3069.91 1928.44,3069.91
no net on Bottom Overlay (solid): 1930.44,3068.91 1930.44,3069.91 1909.44,3069.91 1909.44,3068.91 1930.44,3068.91
no net on Bottom Overlay (solid): 1932.44,3067.91 1932.44,3068.91 1909.44,3068.91 1909.44,3067.91 1932.44,3067.91
no net on Bottom Overlay (solid): 1934.44,3066.91 1934.44,3067.91 1909.44,3067.91 1909.44,3066.91 1934.44,3066.91
no net on Bottom Overlay (solid): 1935.44,3065.91 1935.44,3066.91 1909.44,3066.91 1909.44,3065.91 1935.44,3065.91
no net on Bottom Overlay (solid): 1937.44,3064.91 1937.44,3065.91 1909.44,3065.91 1909.44,3064.91 1937.44,3064.91
no net on Bottom Overlay (solid): 1942.44,3061.91 1942.44,3062.91 1910.44,3062.91 1910.44,3061.91 1942.44,3061.91
no net on Bottom Overlay (solid): 1940.44,3062.91 1940.44,3063.91 1910.44,3063.91 1910.44,3062.91 1940.44,3062.91
no net on Bottom Overlay (solid): 1939.44,3063.91 1939.44,3064.91 1909.44,3064.91 1909.44,3063.91 1939.44,3063.91
no net on Bottom Overlay (solid): 1944.44,3060.91 1944.44,3061.91 1910.44,3061.91 1910.44,3060.91 1944.44,3060.91
no net on Bottom Overlay (solid): 1946.44,3050.91 1946.44,3051.91 1914.44,3051.91 1914.44,3050.91 1946.44,3050.91
no net on Bottom Overlay (solid): 1942.44,3048.91 1942.44,3049.91 1915.44,3049.91 1915.44,3048.91 1942.44,3048.91
no net on Bottom Overlay (solid): 1941.44,3047.91 1941.44,3048.91 1915.44,3048.91 1915.44,3047.91 1941.44,3047.91
no net on Bottom Overlay (solid): 1939.44,3046.91 1939.44,3047.91 1916.44,3047.91 1916.44,3046.91 1939.44,3046.91
no net on Bottom Overlay (solid): 1973.44,3046.91 1973.44,3047.91 1953.44,3047.91 1953.44,3046.91 1973.44,3046.91
no net on Bottom Overlay (solid): 1973.44,3047.91 1973.44,3048.91 1954.44,3048.91 1954.44,3047.91 1973.44,3047.91
no net on Bottom Overlay (solid): 1944.44,3049.91 1944.44,3050.91 1914.44,3050.91 1914.44,3049.91 1944.44,3049.91
no net on Bottom Overlay (solid): 1951.44,3056.91 1951.44,3057.91 1911.44,3057.91 1911.44,3056.91 1951.44,3056.91
no net on Bottom Overlay (solid): 1952.44,3055.91 1952.44,3056.91 1912.44,3056.91 1912.44,3055.91 1952.44,3055.91
no net on Bottom Overlay (solid): 1953.44,3054.91 1953.44,3055.91 1912.44,3055.91 1912.44,3054.91 1953.44,3054.91
no net on Bottom Overlay (solid): 1951.44,3053.91 1951.44,3054.91 1912.44,3054.91 1912.44,3053.91 1951.44,3053.91
no net on Bottom Overlay (solid): 1941.44,3070.91 1941.44,3071.91 1940.44,3071.91 1940.44,3070.91 1941.44,3070.91
no net on Bottom Overlay (solid): 1927.44,3070.91 1927.44,3071.91 1909.44,3071.91 1909.44,3070.91 1927.44,3070.91
no net on Bottom Overlay (solid): 1925.44,3071.91 1925.44,3072.91 1908.44,3072.91 1908.44,3071.91 1925.44,3071.91
no net on Bottom Overlay (solid): 2008.44,3093.91 2008.44,3094.91 1970.44,3094.91 1970.44,3093.91 2008.44,3093.91
no net on Bottom Overlay (solid): 2009.44,3092.91 2009.44,3093.91 1968.44,3093.91 1968.44,3092.91 2009.44,3092.91
no net on Bottom Overlay (solid): 2009.44,3091.91 2009.44,3092.91 1968.44,3092.91 1968.44,3091.91 2009.44,3091.91
no net on Bottom Overlay (solid): 2009.44,3090.91 2009.44,3091.91 1970.44,3091.91 1970.44,3090.91 2009.44,3090.91
no net on Bottom Overlay (solid): 2010.44,3089.91 2010.44,3090.91 1972.44,3090.91 1972.44,3089.91 2010.44,3089.91
no net on Bottom Overlay (solid): 2010.44,3088.91 2010.44,3089.91 1974.44,3089.91 1974.44,3088.91 2010.44,3088.91
no net on Bottom Overlay (solid): 2010.44,3087.91 2010.44,3088.91 1975.44,3088.91 1975.44,3087.91 2010.44,3087.91
no net on Bottom Overlay (solid): 2011.44,3086.91 2011.44,3087.91 1977.44,3087.91 1977.44,3086.91 2011.44,3086.91
no net on Bottom Overlay (solid): 2011.44,3085.91 2011.44,3086.91 1979.44,3086.91 1979.44,3085.91 2011.44,3085.91
no net on Bottom Overlay (solid): 2011.44,3083.91 2011.44,3084.91 1982.44,3084.91 1982.44,3083.91 2011.44,3083.91
no net on Bottom Overlay (solid): 2012.44,3082.91 2012.44,3083.91 1984.44,3083.91 1984.44,3082.91 2012.44,3082.91
no net on Bottom Overlay (solid): 2012.44,3081.91 2012.44,3082.91 1986.44,3082.91 1986.44,3081.91 2012.44,3081.91
no net on Bottom Overlay (solid): 2011.44,3084.91 2011.44,3085.91 1981.44,3085.91 1981.44,3084.91 2011.44,3084.91
no net on Bottom Overlay (solid): 1973.44,3036.91 1973.44,3037.91 1935.44,3037.91 1935.44,3036.91 1973.44,3036.91
no net on Bottom Overlay (solid): 1973.44,3035.91 1973.44,3036.91 1934.44,3036.91 1934.44,3035.91 1973.44,3035.91
no net on Bottom Overlay (solid): 1973.44,3032.91 1973.44,3033.91 1928.44,3033.91 1928.44,3032.91 1973.44,3032.91
no net on Bottom Overlay (solid): 1973.44,3031.91 1973.44,3032.91 1929.44,3032.91 1929.44,3031.91 1973.44,3031.91
no net on Bottom Overlay (solid): 1973.44,3030.91 1973.44,3031.91 1931.44,3031.91 1931.44,3030.91 1973.44,3030.91
no net on Bottom Overlay (solid): 1973.44,3029.91 1973.44,3030.91 1932.44,3030.91 1932.44,3029.91 1973.44,3029.91
no net on Bottom Overlay (solid): 1973.44,3028.91 1973.44,3029.91 1934.44,3029.91 1934.44,3028.91 1973.44,3028.91
no net on Bottom Overlay (solid): 1973.44,3027.91 1973.44,3028.91 1936.44,3028.91 1936.44,3027.91 1973.44,3027.91
no net on Bottom Overlay (solid): 1973.44,3026.91 1973.44,3027.91 1938.44,3027.91 1938.44,3026.91 1973.44,3026.91
no net on Bottom Overlay (solid): 1973.44,3025.91 1973.44,3026.91 1940.44,3026.91 1940.44,3025.91 1973.44,3025.91
no net on Bottom Overlay (solid): 1973.44,3024.91 1973.44,3025.91 1942.44,3025.91 1942.44,3024.91 1973.44,3024.91
no net on Bottom Overlay (solid): 1973.44,3023.91 1973.44,3024.91 1946.44,3024.91 1946.44,3023.91 1973.44,3023.91
no net on Bottom Overlay (solid): 1972.44,3022.91 1972.44,3023.91 1950.44,3023.91 1950.44,3022.91 1972.44,3022.91
no net on Bottom Overlay (solid): 1964.44,3021.91 1964.44,3022.91 1958.44,3022.91 1958.44,3021.91 1964.44,3021.91
no net on Bottom Overlay (solid): 1973.44,3034.91 1973.44,3035.91 1932.44,3035.91 1932.44,3034.91 1973.44,3034.91
no net on Bottom Overlay (solid): 2006.44,3049.91 2006.44,3050.91 1980.44,3050.91 1980.44,3049.91 2006.44,3049.91
no net on Bottom Overlay (solid): 2007.44,3050.91 2007.44,3051.91 1980.44,3051.91 1980.44,3050.91 2007.44,3050.91
no net on Bottom Overlay (solid): 2008.44,3053.91 2008.44,3054.91 1980.44,3054.91 1980.44,3053.91 2008.44,3053.91
no net on Bottom Overlay (solid): 2010.44,3058.91 2010.44,3059.91 1980.44,3059.91 1980.44,3058.91 2010.44,3058.91
no net on Bottom Overlay (solid): 2010.44,3057.91 2010.44,3058.91 1980.44,3058.91 1980.44,3057.91 2010.44,3057.91
no net on Bottom Overlay (solid): 2010.44,3059.91 2010.44,3060.91 1980.44,3060.91 1980.44,3059.91 2010.44,3059.91
no net on Bottom Overlay (solid): 2005.44,3099.91 2005.44,3100.91 1980.44,3100.91 1980.44,3099.91 2005.44,3099.91
no net on Bottom Overlay (solid): 2004.44,3101.91 2004.44,3102.91 1983.44,3102.91 1983.44,3101.91 2004.44,3101.91
no net on Bottom Overlay (solid): 2005.44,3100.91 2005.44,3101.91 1982.44,3101.91 1982.44,3100.91 2005.44,3100.91
no net on Bottom Overlay (solid): 2006.44,3098.91 2006.44,3099.91 1978.44,3099.91 1978.44,3098.91 2006.44,3098.91
no net on Bottom Overlay (solid): 2007.44,3096.91 2007.44,3097.91 1975.44,3097.91 1975.44,3096.91 2007.44,3096.91
no net on Bottom Overlay (solid): 2007.44,3095.91 2007.44,3096.91 1973.44,3096.91 1973.44,3095.91 2007.44,3095.91
no net on Bottom Overlay (solid): 2008.44,3094.91 2008.44,3095.91 1971.44,3095.91 1971.44,3094.91 2008.44,3094.91
no net on Bottom Overlay (solid): 1971.44,3102.91 1971.44,3103.91 1948.44,3103.91 1948.44,3102.91 1971.44,3102.91
no net on Bottom Overlay (solid): 1980.44,3107.91 1980.44,3108.91 1948.44,3108.91 1948.44,3107.91 1980.44,3107.91
no net on Bottom Overlay (solid): 1981.44,3108.91 1981.44,3109.91 1948.44,3109.91 1948.44,3108.91 1981.44,3108.91
no net on Bottom Overlay (solid): 1978.44,3106.91 1978.44,3107.91 1948.44,3107.91 1948.44,3106.91 1978.44,3106.91
no net on Bottom Overlay (solid): 2003.44,3103.91 2003.44,3104.91 1987.44,3104.91 1987.44,3103.91 2003.44,3103.91
no net on Bottom Overlay (solid): 2002.44,3104.91 2002.44,3105.91 1988.44,3105.91 1988.44,3104.91 2002.44,3104.91
no net on Bottom Overlay (solid): 2001.44,3105.91 2001.44,3106.91 1990.44,3106.91 1990.44,3105.91 2001.44,3105.91
no net on Bottom Overlay (solid): 2001.44,3106.91 2001.44,3107.91 1992.44,3107.91 1992.44,3106.91 2001.44,3106.91
no net on Bottom Overlay (solid): 2000.44,3107.91 2000.44,3108.91 1994.44,3108.91 1994.44,3107.91 2000.44,3107.91
no net on Bottom Overlay (solid): 2004.44,3102.91 2004.44,3103.91 1985.44,3103.91 1985.44,3102.91 2004.44,3102.91
no net on Bottom Overlay (solid): 1999.44,3108.91 1999.44,3109.91 1995.44,3109.91 1995.44,3108.91 1999.44,3108.91
no net on Bottom Overlay (solid): 1941.44,3095.91 1941.44,3096.91 1913.44,3096.91 1913.44,3095.91 1941.44,3095.91
no net on Bottom Overlay (solid): 1941.44,3094.91 1941.44,3095.91 1913.44,3095.91 1913.44,3094.91 1941.44,3094.91
no net on Bottom Overlay (solid): 1941.44,3097.91 1941.44,3098.91 1914.44,3098.91 1914.44,3097.91 1941.44,3097.91
no net on Bottom Overlay (solid): 1941.44,3099.91 1941.44,3100.91 1915.44,3100.91 1915.44,3099.91 1941.44,3099.91
no net on Bottom Overlay (solid): 1941.44,3098.91 1941.44,3099.91 1915.44,3099.91 1915.44,3098.91 1941.44,3098.91
no net on Bottom Overlay (solid): 1941.44,3096.91 1941.44,3097.91 1914.44,3097.91 1914.44,3096.91 1941.44,3096.91
no net on Bottom Overlay (solid): 1941.44,3100.91 1941.44,3101.91 1916.44,3101.91 1916.44,3100.91 1941.44,3100.91
no net on Bottom Overlay (solid): 1941.44,3101.91 1941.44,3102.91 1916.44,3102.91 1916.44,3101.91 1941.44,3101.91
no net on Bottom Overlay (solid): 1941.44,3102.91 1941.44,3103.91 1917.44,3103.91 1917.44,3102.91 1941.44,3102.91
no net on Bottom Overlay (solid): 1941.44,3103.91 1941.44,3104.91 1918.44,3104.91 1918.44,3103.91 1941.44,3103.91
no net on Bottom Overlay (solid): 1941.44,3104.91 1941.44,3105.91 1918.44,3105.91 1918.44,3104.91 1941.44,3104.91
no net on Bottom Overlay (solid): 1941.44,3106.91 1941.44,3107.91 1920.44,3107.91 1920.44,3106.91 1941.44,3106.91
no net on Bottom Overlay (solid): 1941.44,3107.91 1941.44,3108.91 1921.44,3108.91 1921.44,3107.91 1941.44,3107.91
no net on Bottom Overlay (solid): 1941.44,3105.91 1941.44,3106.91 1919.44,3106.91 1919.44,3105.91 1941.44,3105.91
no net on Bottom Overlay (solid): 1941.44,3108.91 1941.44,3109.91 1922.44,3109.91 1922.44,3108.91 1941.44,3108.91
no net on Bottom Overlay (solid): 1964.44,3125.91 1964.44,3126.91 1956.44,3126.91 1956.44,3125.91 1964.44,3125.91